# Allegro board RK_NVR_DEMO1_RK3588_LP4XD200P232SD8_V21_20211228_final_lint.brd (continued)
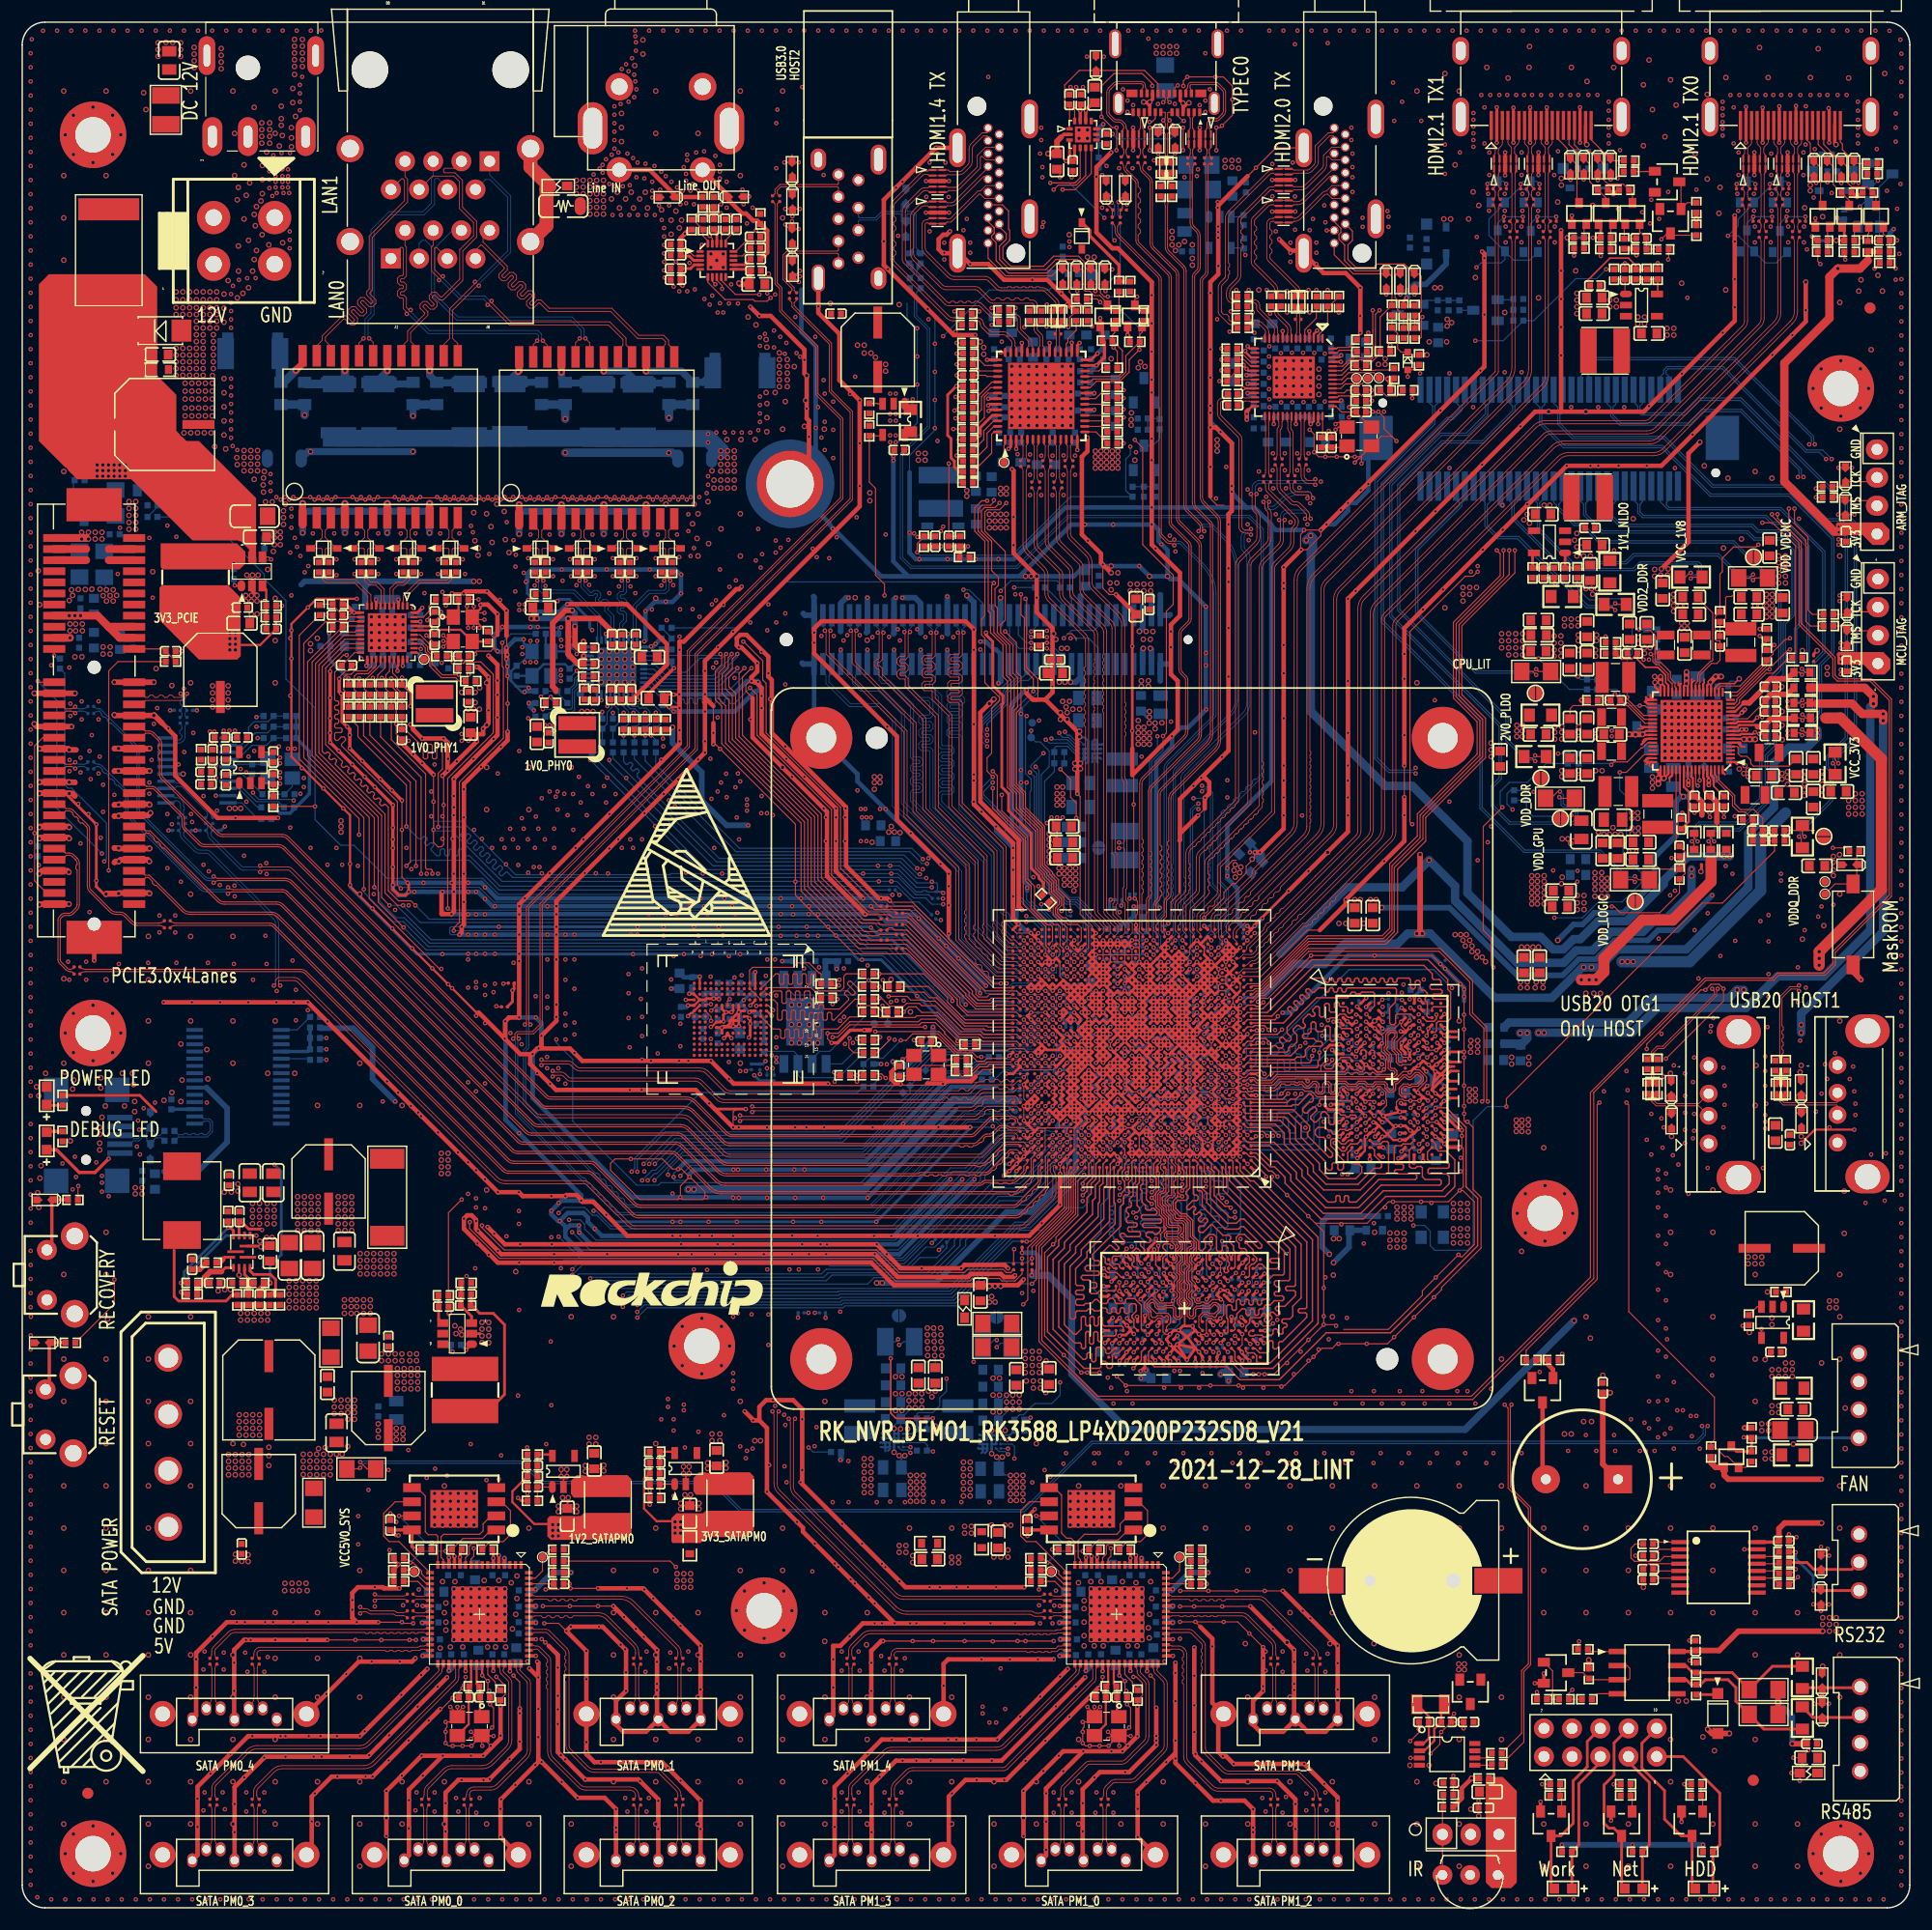
[diagram p0: board, top side]
## Routing (per net, layer and track width the routed paths; a pad name or vN(x,y) marks a point on that pad's centre or on a via; arc(x,y) is an arc through that point)
GND: length 8325.7
  TOP w0.089: 105.85,73.56 105.85,73.56 v1(107.15,73.56) ; v1(111.17,73.24) 111.54,73.24 ; v1(102.33,66.21) 102.33,66.16 102.41,66.08 102.41,65.92 ; 92.12,70.3 92.17,70.26 92.17,68.33 U1000.C30 ; v1(98.7,86.56) 98.7,85.32 98.75,85.26 ; U1000.AF4 108.45,82.66 v1(108.45,82.01) 109.1,82.01 ; U1000.A11 104.22,66.83 103.9,67.15 v1(103.9,67.71) ; v1(103.25,67.71) 103.25,66.59 103.3,66.54 103.3,65.92 ; v1(88.67,75.2) 88.67,75.23 88.47,75.42 88.47,75.65 ; v1(110.4,74.21) 110.98,74.21 111.06,74.13 111.54,74.13 ; v1(100.35,88.59) 100.35,89.45 100.48,89.58 100.48,90.75 v1(100.25,90.97) 100.15,91.08 100.15,91.79 ; U1000.AP34 89.6,87.86 v1(90.9,87.86) ; v1(106.5,69.01) v1(107.15,69.01) ; v1(90.9,80.71) v1(92.2,80.71) ; 88.47,76.57 88.71,76.57 v1(88.95,76.81) ; 105.2,86.57 105.2,85.92 U1000.AK10 ; 94.16,70.3 94.15,70.29 v1(94.15,69.66) 94.76,69.66 94.79,69.64 ; v1(108.45,78.11) v1(108.45,78.76) ; U1000.K32 90.25,72.91 v1(90.25,74.21) ; 101.9,63.87 v1(101.78,64) ; 98.75,85.26 98.05,85.26 ; 98.75,85.26 99.35,85.26 ; 111.38,83.96 v1(109.75,83.96) ; v1(104.26,66.28) 104.11,66.13 104.11,65.92 ; v1(107.15,78.11) 107.15,77.46 ; v1(92.2,85.91) 92.2,86.43 91.87,86.76 U1000.AM30 ; v1(111.37,75.12) 111.54,74.96 ; v1(107.15,72.26) v1(106.5,72.26) ; U1000.M3 108.77,73.89 v1(108.45,73.56) ; 100.65,85.89 100.63,85.91 v1(96.75,85.91) ; 99.97,85.24 100,85.26 v1(100,86.56) ; U1000.AK28 93.5,85.91 93.5,86.35 93.17,86.67 U1000.AM28 ; 100.56,87.19 100.66,87.29 100.66,87.72 100.32,88.06 U1000.AP17 ; v1(95.68,66.08) 95.52,65.92 ; v1(90.25,72.26) v1(90.25,70.96) ; U1000.AP23 96.42,88.48 95.94,88.96 ; 111.54,81.89 111.35,81.7 v1(111.35,81.67) ; U1000.R28 92.87,75.53 90.23,75.53 U1000.R33 ; 105.2,68.45 105.2,69.66
  TOP w0.102: v1(117.27,52.57) 118.29,52.57 v1(118.39,52.47) ; v1(117.27,52.57) v1(117.27,53.33) v1(117.27,55.87) 117.27,56.08 117.32,56.13 117.27,56.18 117.27,60.95 116.51,61.71 ; v1(117.27,52.57) v1(115.9,51.2) 112.82,48.13 110,48.13 v1(109.01,49.11) ; R6821.2 v1(38.17,117.39) ; 93.44,70.3 93.44,70.91 93.5,70.96 ; 93.44,70.3 91.54,70.3 ; 93.44,70.3 94.79,70.3 94.79,68.35 94.77,68.34 ; Y6800.4 40.18,115.98 v1(40.18,115.38) ; Y6800.4 40.08,116.82 v1(40.08,117.31) ; Y6800.4 40.69,116.21 ; 52.08,39.57 C8242.2 51.02,39.57 ; 52.08,39.57 52.21,39.57 v2(52.4,39.39) ; 52.08,39.57 v2(52.4,39.9) ; v1(129.51,64.66) 129.82,64.66 130.83,63.64 130.83,59.78 129.74,58.69 129.59,58.69 v1(129.41,58.87) v1(127.37,56.83) 126.16,55.62 126.16,55.21 123.09,52.14 119.08,52.14 ; v1(129.51,64.66) 128.5,63.64 v1(126.04,63.64) v1(123.5,63.64) 123.11,63.64 122.71,63.24 v1(122.81,63.14) 122.6,63.14 121.18,61.71 118.96,61.71 v1(118.86,61.61) 118.76,61.71 116.51,61.71 ; v1(129.51,64.66) 129.84,64.99 129.84,68.47 129.72,68.6 ; v1(92.94,24.05) v1(90.4,24.05) v1(89.69,24.05) v1(84.91,24.05) v1(82.07,24.05) v1(80.24,24.05) v1(77.57,24.05) ; v1(122.69,75.57) 122.86,75.73 122.86,76.44 122.96,76.54 122.96,76.73 122.48,77.21 122.48,77.89 ; 104.72,56.51 104.72,56.42 ; 104.72,56.51 104.72,57.16 ; 104.72,56.51 104.46,56.26 104.46,55.82 104.72,55.56 104.72,56.42 ; 104.72,56.42 104.99,56.14 104.99,55.82 104.72,55.54 104.72,54.89 ; v2(50.74,39.86) 51.02,39.57 ; 51.02,39.57 50.96,39.57 v2(50.74,39.35) ; v1(59.31,64.05) 59.1,63.85 55.65,63.85 53.01,66.49 53.01,67.1 53.41,67.51 v1(54.84,67.51) 57.68,67.51 58.6,66.59 v1(59.1,66.59) 59.41,66.59 v1(60.12,65.88) ; v1(59.31,64.05) 59.51,63.85 61.34,63.85 61.52,64.03 61.52,64.53 60.31,65.74 60.26,65.74 v1(60.12,65.88) ; v1(59.31,64.05) 59.31,65.07 v1(60.12,65.88) ; v1(70.08,147.57) 69.65,147.14 ; 69.65,147.14 D2509.2 v1(69.99,146.56) ; 69.65,147.14 69.99,147.14 v1(70.08,147.06) ; 88.47,76.57 86.92,76.57 86.66,76.32 86.03,76.32 85.47,76.87 84.13,76.87 82.57,78.43 82.52,78.43 82.42,78.53 81.44,78.53 C1101.2 ; v1(37.74,116.82) C6801.2 37.12,116.82 36.5,116.2 v1(36.5,116.07) ; v2(20.65,116.63) 20.51,116.49 20.51,115.98 ; v1(104.32,27.17) v1(105.59,27.17) v1(108.13,27.17) v1(110.67,27.17) ; v1(109.75,74.86) 110.23,74.86 110.55,75.19 U1000.P1 ; 120.59,130.8 120.67,130.88 ; 120.59,130.8 v1(120.06,130.8) v1(119.35,130.8) v1(118.44,130.8) v1(117.42,130.8) 116.81,130.8 v1(116.41,131.21) 116.41,132.83 v1(116,133.24) ; 120.59,130.8 v1(120.07,130.28) ; 120.67,130.88 v1(120.67,130.19) ; 120.67,130.88 Y5100.2 122.42,132.63 123.42,132.63 ; v1(104.34,28.57) v1(106.88,28.57) v1(109.42,28.57) v1(111.96,28.57) v1(113.59,28.57) ; v1(127.45,70.84) 127.42,70.81 126.67,70.81 v1(126.65,70.84) ; v1(39.95,20.8) 39.95,20.41 39.67,20.13 v1(39.67,19.8) 39.33,19.46 C8213.2 38.85,18.98 v1(38.78,18.92) 37.79,17.92 v1(37.67,17.92) ; U1000.A14 102.27,66.94 102.6,67.26 v1(102.6,67.71) ; v1(28.56,110.79) 28.56,110.93 29.13,111.5 29.44,111.5 29.68,111.75 C6826.2 29.94,112.01 v1(30.55,112.62) ; v2(61.76,39.6) 61.98,39.83 62.04,39.83 ; v1(80.34,78.22) 80.34,78.2 80.44,78.1 C1101.2 ; C8226.2 60.14,36.67 ; C8226.2 59.62,36.25 ; C8226.2 60.69,36.25 ; 60.14,36.67 60.27,36.8 60.27,37.18 v2(60.22,37.23) ; 60.14,36.67 60.14,36.8 v2(59.71,37.23) ; 105.78,59.53 105.53,59.28 105.53,59.28 105.53,58.74 ; 105.78,59.53 105.78,59.99 105.26,60.52 105.26,61.87 104.77,62.35 104.28,62.35 104.08,62.55 104.08,62.58 103.71,62.96 103.71,63.72 104.07,64.09 ; 105.78,59.53 105.78,58.98 105.53,58.74 ; 48.77,38.58 v2(49.07,38.88) v2(49.07,39.51) ; 48.77,38.58 48.77,38.67 v2(48.56,38.88) v2(48.56,39.51) ; 48.77,38.58 U8203.2 ; C9502.2 v1(159.59,13.52) ; C9502.2 160.38,13.64 v1(160.93,14.19) ; C9502.2 v1(160.38,12.82) ; v1(37.95,114.19) 37.98,114.15 38.42,114.15 ; v2(20.65,118.31) v2(20.65,117.8) ; v2(20.65,118.31) v2(20.14,118.31) v2(20.14,117.8) ; v2(20.65,118.31) v2(21.16,118.31) v2(21.16,117.8) ; v2(20.75,120.13) 20.7,120.08 20.7,119.68 ; 102.87,61.03 103.07,61.22 103.07,61.28 102.87,61.47 ; 102.87,61.03 102.87,61.47 ; 102.87,61.03 102.56,60.72 102.56,60.16 102.67,60.06 103.54,60.06 ; 115.8,74.72 115.77,74.69 115.77,74.54 ; 115.8,74.72 123.74,74.72 124.41,75.39 124.93,75.39 v1(125.02,75.3) ; 115.8,74.72 115.59,74.72 ; v1(109.93,51.71) 109.93,50.76 U3801.D11 ; v1(163.65,129.81) D9102.2 v1(164.87,129.81) ; 104.72,52.46 105.44,52.46 v1(105.46,52.44) ; 104.72,52.46 104.59,52.46 104.57,52.44 ; 104.72,52.46 104.72,52.57 ; 108.45,82.66 107.8,82.66 v1(107.8,83.31) 108.45,83.31 108.45,83.96 v1(107.8,83.96) 107.8,84.61 v1(107.8,84.61) v1(108.45,84.61) v1(108.45,85.26) ; 122.22,71.79 122.39,71.79 122.93,72.33 122.93,72.81 122.86,72.89 122.86,73.53 122.35,74.05 122.1,74.05 121.8,73.74 U3800.N4 121.05,73.74 120.73,74.05 120.51,74.05 120.19,73.74 U3800.N2 119.45,73.74 119.13,74.05 118.91,74.05 118.72,73.86 118.72,73.39 v1(118.74,73.37) 118.47,73.11 116.67,73.11 116.18,73.6 115.57,73.6 115.39,73.78 113.87,73.78 113.49,73.4 v1(113.46,73.4) 113.46,73.37 113.32,73.24 111.54,73.24 ; 103.54,60.06 103.91,59.7 103.91,58.84 ; 103.54,60.06 103.96,60.06 104.04,59.99 104.04,59.8 104.16,59.68 104.16,59.56 103.91,59.31 103.91,58.84 103.91,58.84 ; Y8300.4 v1(97.88,14.6) v1(97.08,14.6) v1(96.19,14.6) 95.81,14.6 v1(95.55,14.85) v1(95.55,15.87) 95.55,16.17 95.68,16.29 95.68,16.63 v1(95.55,16.76) 96.14,16.76 Y8300.2 96.61,17.48 ; Y8300.4 98.18,15.53 ; Y8300.4 98.81,15.4 ; Y8300.4 99.02,15.53 ; v1(41.45,14.6) 41.41,14.64 41.41,15.4 ; C2511.2 157.56,49.94 v2(157.05,49.42) ; 107.06,127.04 107.67,126.43 108.28,126.43 ; v1(84.2,130.9) 84.69,130.41 R5510.2 ; 104.27,91.58 104.27,91.44 103.5,90.67 103.5,88.98 v1(103.25,88.73) ; v1(104.6,160.47) v1(104.6,158.43) ; v1(103.45,58.05) 103.53,58.13 103.88,58.13 104.06,58.31 104.06,58.68 103.91,58.84 ; v1(108.45,79.41) 109.1,79.41 ; v1(163.65,122.88) 164.05,122.88 C9105.2 164.12,123.36 v1(163.65,123.36) ; 49.12,36.42 49.12,36.55 v2(48.69,36.97) ; 49.12,36.42 C8244.2 ; 49.12,36.42 49.24,36.55 49.24,36.93 v2(49.2,36.97) ; v2(49.96,36.21) 49.74,36 49.67,36 ; v1(121.07,76.01) 120.95,75.89 120.95,75.58 120.75,75.38 120.5,75.38 120.34,75.53 119.98,75.53 U3800.K2 ; 116.51,61.71 v1(115.87,62.35) v1(113.97,64.25) 112.6,65.63 v1(112.6,65.91) ; D2506.2 v1(70.07,153.14) ; D2506.2 v1(69.4,152.48) ; D2506.2 v1(68.76,153.14) ; R5531.2 94.36,143.34 94.36,142.59 v1(94.26,142.49) ; 93.25,96.45 93.25,97.57 92.73,98.09 v1(92.73,98.29) ; 93.25,96.45 92.83,96.87 92.58,96.87 v2(92.53,96.82) ; 93.25,96.45 C1086.2 92.83,96.05 92.58,96.31 v2(92.53,96.31) ; v2(61.76,40.11) 62.04,39.83 ; 62.04,39.83 C8224.2 63.1,39.83 ; v1(129.87,16.17) C2228.2 v1(129.33,16.75) C2229.2 ; v1(62.28,104.89) 62.46,104.89 69.67,97.68 v1(69.67,92.5) 69.67,91.28 74.95,86 79.85,86 83.81,82.03 v1(83.81,81.75) ; 129.72,68.6 v1(129.72,69.59) v1(129.72,70.1) 129.72,70.35 128.5,71.57 128.04,71.57 ; 129.72,68.6 129.61,68.7 128.31,68.7 ; 42.52,114.44 42.82,114.75 ; 42.52,114.44 42.52,113.58 ; 42.52,114.44 42.52,114.48 R6802.2 41.85,115.05 41.2,115.71 ; v1(97.61,145.74) 97.56,145.79 ED5505.2 ; 104.72,54.86 104.72,54.89 ; 104.72,54.86 104.72,54.39 ; 104.72,54.86 105.03,54.56 105.03,54.49 104.77,54.23 104.77,52.62 104.72,52.57 ; 104.72,54.89 104.47,54.64 104.72,54.39 ; v1(78.15,90.8) 78.31,90.64 80.21,90.64 83.49,87.36 ; 41.41,15.4 Y8200.4 ; 41.41,15.4 v1(42.21,14.6) ; v1(98.56,118.39) 97.94,118.39 97.37,118.95 v1(97.37,121.09) ; v1(101.83,164.23) 101.83,164.43 100.91,165.35 98.37,165.35 97.25,164.22 v1(97.25,161.45) 98.22,160.47 v1(98.6,160.47) 98.62,160.45 98.62,158.46 v1(98.6,158.43) ; 162.18,18.4 ED9500.2 v1(162.18,19.09) ; 162.18,18.4 v1(161.49,18.4) ; 162.18,18.4 v1(162.79,18.4) ; 104.11,64.53 v1(104.52,64.12) 104.48,64.09 104.07,64.09 ; 104.11,64.53 104.11,65.92 ; 104.11,64.53 104.11,64.13 104.07,64.09 ; ED9502.2 162.09,31.74 v1(162.81,31.74) ; ED9502.2 v1(162.08,32.53) ; ED9502.2 v1(162.68,32.36) ; v1(97.35,20.8) 97.35,20.41 97.08,20.13 v1(97.08,19.8) 96.73,19.46 C8313.2 96.25,18.98 v1(96.19,18.92) ; 108.45,70.96 109.1,70.96 ; v1(159.19,33.67) C9505.2 159.52,33.07 v1(159.87,33.42) ; 98.05,85.26 v1(98.05,86.56) ; 20.51,115.98 v2(21.16,116.63) ; 20.51,115.98 C8415.2 ; v1(34.72,92.4) 34.21,92.91 v1(34.21,97.17) v1(34.21,99.82) ; 64.31,72 64.06,71.75 v1(64.06,70.35) ; v1(72.62,74.29) 72.72,74.29 72.88,74.12 78.55,74.12 78.71,74.29 ; v2(23.25,123.51) v2(22.72,123.51) 22.65,123.58 22.28,123.58 ; v1(38.57,18.11) 39.21,17.48 ; 39.21,17.48 Y8200.2 38.74,16.76 v1(38.15,16.76) 38.28,16.63 38.28,16.29 38.15,16.17 v1(38.15,15.87) v1(38.15,14.85) 38.4,14.6 v1(38.78,14.6) v1(39.67,14.6) v1(40.48,14.6) Y8200.4 ; 39.21,17.48 39.21,17.6 ; v1(93.62,145.51) 93.75,145.64 ED5502.2 ; 122.22,78.94 122.39,78.77 ; 122.39,78.77 122.6,78.56 122.6,78.02 v1(122.52,77.93) ; 122.39,78.77 122.6,78.77 123.15,79.32 123.7,79.32 v1(124.25,79.86) 124.25,79.5 124.62,79.13 U3800.E8 124.62,78.85 123.87,78.1 123.87,77.44 124.25,77.06 124.25,76.83 124.41,76.67 124.79,76.67 124.92,76.55 v1(125.02,76.55) ; C2227.2 v1(125.84,16.1) 125.84,15.8 v1(125.07,15.03) ; v1(42.47,15.49) 42.21,15.49 42.17,15.53 41.62,15.53 ; C8244.2 48.6,36 ; C8244.2 49.67,36 ; 38.42,114.15 38.49,114.15 ; 38.42,114.15 v1(37.95,113.68) ; 38.49,114.15 v1(37.95,114.7) ; 38.49,114.15 Y6800.2 ; 60.69,36.25 60.77,36.25 v2(60.98,36.47) ; 60.69,36.25 v2(60.98,35.96) ; v1(100.12,20.82) 100.38,20.82 100.93,20.27 100.93,19.15 R8306.2 100.51,18.25 100.48,18.23 v1(100.48,18.13) ; C2229.2 v1(127.85,15.85) 127.73,15.73 127.73,14.75 v1(126.9,13.91) ; C2229.2 128.76,17.25 v1(129,17.49) ; ED9503.2 v1(162.08,26.76) ; ED9503.2 162.09,27.34 v1(162.8,27.34) ; ED9503.2 v1(161.39,27.36) ; C1101.2 81.01,77.31 80.48,76.79 79.71,76.79 79.47,76.55 79.34,76.55 ; v1(126.6,77.45) 126.74,77.31 v1(127.4,77.31) ; 41.62,15.53 Y8200.4 ; 41.62,15.53 v1(42.34,16.25) 42.47,16.38 42.47,18.03 v1(42.15,18.34) C8211.2 42.15,19.49 v1(42.09,19.55) 41.96,19.68 v1(41.96,20.44) v1(41.45,20.95) ; Y8200.4 40.78,15.53 ; v1(150.24,22.29) 150.43,22.1 R9508.2 ; v1(24.06,126.94) 24.21,127.09 26.19,127.09 v1(26.34,126.94) v1(27.11,126.94) v1(27.87,126.94) 28.02,127.09 30,127.09 v1(30.15,126.94) v1(30.92,126.94) v1(31.68,126.94) 31.83,127.09 33.81,127.09 v1(33.96,126.94) v1(34.73,126.94) v1(35.49,126.94) 35.64,127.09 37.62,127.09 v1(37.77,126.94) v1(38.54,126.94) v1(39.3,126.94) v1(40.06,126.94) v1(40.82,126.94) v1(41.58,126.94) v1(42.35,126.94) v1(43.11,126.94) v1(43.87,126.94) 44.02,127.09 45.24,127.09 v1(45.39,126.94) v1(46.16,126.94) v1(46.92,126.94) v1(47.68,126.94) 47.83,127.09 49.05,127.09 v1(49.2,126.94) v1(49.97,126.94) v1(50.73,126.94) v1(51.49,126.94) 51.64,127.09 52.86,127.09 v1(53.01,126.94) v1(53.78,126.94) v1(54.54,126.94) v1(55.3,126.94) 55.45,127.09 56.67,127.09 v1(56.82,126.94) ; 81.56,74.31 81.4,74.16 79.3,74.16 79.21,74.25 v1(79.16,74.25) ; v1(96.7,145.74) 96.29,146.14 ED5503.2 ; 104.72,57.16 104.47,57.41 104.47,57.87 104.77,58.16 ; 104.72,57.16 104.72,57.51 104.99,57.79 104.99,57.83 104.77,58.06 104.77,58.16 ; v1(163.85,111.6) 163.99,111.47 C9106.2 164.12,111.19 v1(163.85,111.19) ; v1(157.86,113.83) 157.39,113.37 R2134.2 ; v1(104.62,164.23) 104.62,164.69 v1(104.98,165.04) v1(107.52,165.04) 108.23,165.04 109.04,164.23 v1(109.04,163.01) 109.04,161.59 v1(108.1,160.65) 107.93,160.47 v1(107.6,160.47) v1(107.6,158.43) ; v1(107.93,57.14) 107.97,57.18 v1(107.97,58.12) ; 115.77,74.54 115.79,74.51 v1(115.82,74.51) ; 115.77,74.54 115.59,74.72 ; v1(43.64,113.58) 43.66,113.61 43.66,114.62 43.64,114.65 ; v1(99.24,136.8) 98.93,137.1 R5541.2 ; 100.65,86.48 100.56,86.56 v1(100,86.56) ; 100.65,86.48 100.65,87.1 100.53,87.21 v1(100,87.21) ; 100.65,86.48 v1(100.65,85.26) ; v2(63.42,39.64) 63.24,39.83 63.1,39.83 ; 22.28,123.58 v2(22.72,124.02) v2(23.25,124.02) ; 22.28,123.58 C8433.2 22.02,123.58 v2(22.72,122.88) v2(23.25,122.88) ; v1(97.08,48.25) v1(95.97,48.25) v1(95.43,48.25) 92.12,51.55 92.12,59.05 v1(92.89,59.81) 93.14,60.06 93.14,60.44 95.12,62.43 95.12,65.52 95.52,65.92 ; v1(65.71,110.58) 65.56,110.58 65.2,110.23 65.2,109.67 65.81,109.06 ; C2519.2 94.66,156.1 v1(94.56,156) ; v1(159.41,12.15) FB9500.2 v1(160.16,11.45) ; 104.72,52.57 104.72,54.39 ; 94.16,114.85 94.56,114.85 94.97,114.44 94.97,114.24 ; 79.34,76.55 79.32,76.53 v1(79.32,76.5) ; 79.34,76.55 79.44,76.45 79.44,76.28 C1102.2 ; D2507.2 v1(69.96,157.34) ; D2507.2 69.37,158.03 ; D2507.2 v1(68.67,157.34) ; 48.6,36 48.52,36 v2(48.31,36.21) ; 48.6,36 v2(48.31,35.7) ; v1(69.37,152.03) D2508.2 ; D2508.2 v1(69.96,151.34) ; D2508.2 69.36,151.33 69.16,151.33 v1(68.76,151.73) ; 93.82,83.64 93.5,83.96 93.5,85.26 ; 40.69,116.49 v1(40.69,117.31) ; D2505.2 v1(102.35,158.13) ; U3800.K9 125.58,75.53 125.91,75.53 126.54,74.9 126.54,74.54 125.76,73.76 v1(125.76,73.48) ; v1(103.55,55.64) 103.58,55.62 103.8,55.62 104.06,55.36 104.06,55.11 103.47,54.52 102.52,54.52 U3801.T5 101.12,54.55 101.12,54.08 101.51,53.69 101.51,53.13 U3801.T8 102.03,52.84 102.34,53.15 102.59,53.15 102.79,52.95 102.79,51.91 102.99,51.7 103.42,51.7 ; v1(108.05,138.59) R5100.2 ; U3801.G8 107.54,52.95 107.34,52.95 107.14,53.15 106.88,53.15 106.7,52.97 106.7,51.68 v1(106.73,51.66) 106.51,51.66 106.48,51.69 106.05,51.69 ; 102.13,64.35 102.13,64.43 102.39,64.69 102.39,65.91 102.41,65.92 ; 102.13,64.35 v1(101.78,64) ; 102.13,64.35 102.13,63.65 ; v1(47.04,25.65) 48.33,25.65 v1(49.04,24.94) ; 59.79,38.83 59.79,38.93 v2(59.59,39.13) v2(59.59,39.77) ; 59.79,38.83 v2(60.09,39.13) v2(60.09,39.77) ; 59.79,38.83 U8202.2 ; 104.77,58.16 104.77,59.93 104.65,60.06 104.65,60.35 104.52,60.48 104.52,60.57 v1(104.49,60.6) 104.51,60.61 104.51,60.78 104.65,60.91 104.65,61.57 104.48,61.74 103.58,61.74 103.48,61.84 103.48,62.32 103.08,62.73 103.08,63.14 102.74,63.48 102.74,64.01 103.3,64.57 103.3,65.92 ; v1(98.85,55.59) 98.88,55.61 98.88,56.35 v1(98.85,56.38) ; 100.02,102.13 100.15,102 v1(100.15,99.46) 100.15,91.79 ; 107.23,68.45 107.24,68.45 ; 39.21,17.6 v1(39.21,18.11) ; 39.21,17.6 v1(39.72,18.11) ; 42.52,113.58 42.21,113.28 40.92,113.28 40.82,113.17 v1(40.82,113.02) ; 42.52,113.58 v1(42.82,113.28) ; v1(98.85,20.95) v1(99.36,20.44) 99.36,19.68 v1(99.49,19.55) 99.55,19.49 C8311.2 v1(99.55,18.34) 99.87,18.03 99.87,16.38 v1(99.74,16.25) 99.02,15.53 ; v1(163.75,118.31) 164.2,118.31 D9104.2 164.24,117.9 163.85,117.9 v1(163.75,117.8) ; v1(84.2,138.15) C5500.2 ; C5106.2 v1(121.61,136.81) ; v1(107.95,53.13) 108.25,53.44 108.25,54.66 108.08,54.84 v1(108,54.84) 107.22,54.84 106.86,54.48 106.6,54.48 106.47,54.6 106.22,54.6 106.09,54.48 105.84,54.48 105.64,54.68 105.64,54.86 105.38,55.11 105.38,55.34 105.7,55.66 U3801.K4 105.7,56.3 105.4,56.6 105.4,57.33 U3801.K2 ; U1000.L1 110.57,73.24 110.25,73.56 109.75,73.56 ; v1(32.08,25.75) v1(34.21,25.75) 34.31,25.65 v1(35.23,25.65) ; v1(118.34,133.24) 118.58,133.48 Y5100.4 118.96,133.89 118.48,133.89 v1(118.34,133.75) ; v1(95.07,145.74) 95.02,145.79 ED5504.2 ; v2(140.08,122.67) 140.25,122.85 C2022.2 ; v1(119.56,135.27) 120.88,135.27 121.08,135.07 C5105.2 122.23,134.84 122.71,134.36 122.71,133.34 123.42,132.63 ; v1(53.26,27.2) v1(51.88,27.2) v1(49.34,27.2) v1(46.91,27.2) ; C5134.2 v1(144.42,148.24) ; 40.69,116.21 40.78,116.12 ; 40.69,116.21 v1(40.69,115.38) ; 40.78,116.12 v1(41.65,116.12) ; 40.78,116.12 41.2,115.71 ; 123.42,132.63 v1(123.82,132.22) ; v1(44.83,17.98) 44.83,20.35 44.27,20.91 v1(44.27,20.94) ; ED5102.2 v1(122.91,145.43) ; 76.5,90.26 76.78,89.98 79.97,89.98 v1(80.78,89.18) v1(82.57,87.38) v1(83.25,86.71) v1(84.37,85.59) v1(86.84,83.12) ; 49.67,36 v2(49.96,35.7) ; v1(43.74,106.01) v1(43.74,108.55) v1(43.74,111.04) 43.71,111.07 v1(43.71,111.9) 43.64,111.98 v1(43.64,112.56) ; 84.2,131.37 R5508.2 ; 111.54,74.13 112.67,74.13 113.25,74.72 115.59,74.72 ; v1(124.53,102.96) v1(124.53,100.12) ; 105.53,58.74 105.38,58.58 105.38,58.31 105.7,57.99 105.7,57.77 ; ED5103.2 v1(125.45,145.43) ; 59.62,36.25 59.55,36.25 v2(59.33,36.47) ; 59.62,36.25 v2(59.33,35.96) ; 102.87,61.47 102.87,62.07 102.46,62.48 102.46,62.87 102.13,63.21 102.13,63.65 ; v1(47.17,28.69) 48.33,28.69 48.44,28.8 v1(49.41,28.8) v1(51.89,28.8) ; C6800.2 37.17,113.95 v1(36.42,114.7) ; v1(93.5,67.06) 93.52,67.04 93.52,66.86 v1(93.52,66.16) ; R5117.2 v1(121.61,135.85) ; v1(43.1,18.15) R8206.2 43.1,18.81 43.53,19.24 43.53,20.01 v1(42.72,20.82) ; v1(117.73,133.14) 117.99,132.88 C5104.2 ; C6823.2 33.7,105.84 v1(33.7,106.72) v1(33.7,108.78) 33.7,109.68 33.26,110.13 R6825.2 ; v1(83.49,87.83) 83.49,87.36 ; 83.49,87.36 83.49,87.29 87.46,83.33 v1(88.19,83.33) ; v1(86.31,82.44) 86.31,82.82 79.86,89.27 78.41,89.27 78.15,89.53 75.99,89.53 ; 96.1,83.31 96.1,83.96 ; 76.38,79.11 76.66,79.39 v1(81.35,79.39) ; v1(40.43,15.87) 40.78,15.53 ; 40.78,15.53 40.73,15.53 v1(40.43,15.23) ; C2163.2 v1(153.33,98.72) ; 41.2,115.71 v1(41.2,115.38) ; 91.31,108.91 91.51,109.11 91.51,110.79 90.5,111.8 90.5,117.9 v1(90.4,118) ; 98.18,15.53 v1(97.84,15.87) ; 98.18,15.53 98.13,15.53 v1(97.84,15.23) ; 20.7,119.68 v2(20.24,120.13) ; 20.7,119.68 20.7,119.57 ; v1(99.24,134.36) 98.93,134.05 R5536.2 ; U3801.N2 103.75,57.27 104.06,56.96 104.06,56.71 103.78,56.43 103.78,56.06 U3801.N4 ; C8400.2 v1(14.4,113.28) ; v1(97.4,86.56) v1(97.4,85.26) ; U8402.2 20.7,119.57 ; 20.7,119.57 v2(21.26,120.13) ; v1(105.71,25.77) 106.14,25.34 ; v1(105.71,25.77) v1(108.25,25.77) 109.52,25.77 v1(110.57,24.73) v1(111.81,23.49) ; v1(105.71,25.77) v1(104.32,25.77) ; v1(41.65,116.73) 40.93,116.73 ; v1(109.1,81.36) 109.1,82.01 ; 96.61,17.48 96.61,17.6 ; 96.61,17.48 v1(95.98,18.11) ; 85.9,74.92 86.54,75.56 87.22,75.56 v1(87.35,75.43) 87.35,75.48 87.6,75.73 88.38,75.73 88.47,75.65 ; v1(84.2,139.13) R5507.2 ; C2110.2 139.38,96.35 139.37,96.36 v2(139.27,96.36) v2(138.76,96.36) ; 110.41,156.1 v1(111.16,156.85) v1(112.96,158.65) J5100.21 ; 99.35,85.26 99.35,86.56 ; v1(99.24,136.09) R5539.2 ; 102.13,63.65 101.9,63.87 ; 95.94,88.96 95.32,89.58 95.32,100.17 v1(95.07,100.42) ; J5100.17 v1(117.54,151.2) ; 98.81,15.4 98.81,14.64 v1(98.85,14.6) ; 98.81,15.4 v1(99.62,14.6) ; v1(111.07,95.14) 111.02,95.09 111.02,94.63 110.28,93.9 110.28,93.29 109.32,92.32 109.06,92.32 108.28,91.54 108.28,91.02 v1(106.5,89.24) ; 123.82,72.18 123.82,72.66 124.05,72.89 124.38,72.89 124.52,72.75 v1(125.09,72.75) v1(125.89,72.75) ; 111.54,81.89 111.63,81.98 112.26,81.98 v1(116.13,85.85) v1(121.84,85.85) 127.02,85.85 v1(129.58,83.29) 129.92,82.95 v1(129.92,82.78) v1(129.92,82.14) v1(129.92,80.51) v1(129.92,79.2) v1(129.92,76.66) v1(129.92,74.12) 129.92,72.28 v1(129.92,72.28) v1(129.92,71.58) 129.92,70.96 130.02,70.86 v1(130.22,70.86) 130.73,70.35 130.73,64.76 131.44,64.05 131.44,59.48 127.89,55.92 127.89,55.72 v1(127.2,55.03) v1(125.41,53.24) v1(123.61,51.44) 123.01,50.84 v1(121.14,50.84) v1(118.6,50.84) 118.44,50.84 118.03,50.44 117.12,50.44 v1(116.35,49.67) 113.76,47.08 v1(109.6,47.08) v1(107.06,47.08) v1(99.44,47.08) v1(98.63,47.9) ; v1(102.18,18.03) 102.13,18.03 102.03,18.13 102.03,20.58 v1(101.67,20.94) ; 117.02,75.38 117.02,75.91 117.52,76.42 v1(117.52,76.45) ; 117.02,75.38 119.15,75.38 119.5,75.73 v1(119.5,76.01) ; 117.02,75.38 112.77,75.38 112.62,75.23 v1(112.57,75.23) 112.52,75.18 112.44,75.18 112.06,74.8 111.7,74.8 111.54,74.96 ; v1(99.24,132.02) R5534.2 ; v1(99.87,15.49) 99.62,15.49 99.58,15.53 99.02,15.53 ; v1(27.48,24.15) v1(30.02,24.15) v1(32.36,24.15) v1(34.9,24.15) v1(35.48,24.15) ; v2(63.42,40.15) 63.1,39.83 ; 62.28,108.32 62.28,106.8 ; v1(29.23,112.92) 28.93,112.92 27.75,111.74 v1(27.75,111.44) ; v1(72.92,77.97) 72.57,78.33 v1(72.57,78.83) 73.52,78.83 74.56,79.88 80.74,79.88 80.97,80.1 82.37,80.1 84.28,78.2 v1(84.28,78.12) ; C9500.2 v1(150.21,24.09) ; 84.2,132.34 R5506.2 ; 109.4,94.43 109.09,94.43 108.58,93.92 v1(108.58,93.72) ; v1(163.85,114.04) 164.24,114.04 D9105.2 164.12,113.55 v1(163.83,113.55) ; 111.38,83.96 111.63,83.96 115.8,88.13 116.91,88.13 ; v1(110.4,74.21) v1(109.75,74.21) ; C8204.2 v1(49.32,29.2) ; v1(37.06,102.15) v1(37.06,99.71) v1(37.06,97.17) 37.06,96.05 37.46,95.64 37.77,95.64 37.97,95.84 v1(37.97,99.41) 37.97,101.95 v1(37.87,102.05) ; v1(148.11,76.55) 153.29,81.73 v1(153.29,82.85) 152.88,83.25 152.17,83.25 v1(151.66,82.75) 151.25,82.75 146.38,77.87 v1(146.38,77.41) ; C8304.2 v1(106.73,29.2) ; D2504.2 v1(103.88,158.14) ; v1(121.82,72.64) 121.7,72.76 121.13,72.76 v1(121.03,72.66) ; 96.61,17.6 v1(96.61,18.11) ; 96.61,17.6 v1(97.12,18.11) ; C2165.2 v1(144.63,113.6) ; v1(84.2,141.06) R5513.2 ; 47.44,23.61 v1(47.13,23.92) 46.83,24.22 v1(46.81,24.22) ; U9501.15 v1(155.17,32.32) ; 100.65,69.66 100.65,68.36 ; C2155.2 v1(150.68,98.72) ; v1(99.24,135.07) R5537.2 ; C2166.2 v1(142.57,108.86) ; C2160.2 v1(152.02,98.72) ; 105.2,68.36 105.2,68.45 ; v1(105.85,70.31) 105.85,70.95 105.84,70.96 v1(105.2,70.96) ; R5133.2 v1(147.37,148.25) ; v1(98.05,77.46) v1(98.05,78.11) ; v1(100.65,73.56) 100,73.56 ; 109.75,83.31 109.75,82.67 ; R8433.2 v1(23.41,117.37) ; v1(163.63,125.59) D9103.2 v1(165.07,125.59) ; 84.2,128.48 R5511.2 ; 93.5,156.72 v1(93.5,156) ; C9001.2 v1(131.21,9.64) ; ED5104.2 v1(124.18,145.43) ; 106.55,99.08 v1(105.94,98.47) ; v1(101.6,160.47) v1(101.6,158.43) ; 115.75,122.42 v1(115.24,122.42) 115.19,122.47 115.19,123.79 115.59,124.2 v1(117.02,124.2) 117.02,123.69 115.75,122.42
  TOP w0.127: 106.5,85.91 106.5,86.56 ; 100,70.31 v1(99.35,70.31)
  TOP w0.152: v1(126.7,79.26) 126.65,79.21 126.65,78.71 v1(126.54,78.61) ; v1(34.97,108.32) 34.97,109.51 R6823.2 ; v1(122.69,75.57) 122.47,75.35 122.06,75.35 121.78,75.63 121.48,75.63 U3800.K4
  TOP w0.203: C8237.2 v1(56.55,37.62) ; v1(65.61,81.35) 66.05,81.79 U4000.C4 ; v2(158.57,106.6) 158.54,106.6 158.49,106.55 C2170.2 ; v2(158.58,105.29) 158.53,105.29 158.19,105.63 C2172.2 ; 123.01,69.74 122.26,70.49 122.22,70.49 ; 123.01,69.74 v1(123.75,70.48) 123.53,70.48 v1(122.62,71.39) ; 123.01,69.74 123.54,69.21 v1(124.13,69.21) ; 123.01,69.74 122.78,69.51 v1(122.55,69.51) ; v1(62.05,79.42) 62.12,79.42 U4000.K8 62.59,79.85 ; R6831.2 v1(30.36,110.82) ; v1(120.22,77.22) 120.22,77.23 U3800.G3 ; 104.27,96.21 104.27,91.58 ; Y6800.4 41.3,117.1 v1(41.3,117.44) ; R6821.2 v1(38.72,118.49) v1(39.77,118.49) ; U4000.P4 v1(59.79,81.85) ; U3800.AB3 120.98,68.24 120.98,69.39 v1(121.07,69.49) ; R6825.2 v1(33.26,110.82) ; U4000.N5 U4000.P6 60.35,80.65 60.26,80.65 v1(59.99,80.38) ; v1(30.15,118) 26.52,118 v1(25.74,117.22) 24.25,115.73 v1(24.25,115.16) v1(24.25,112.62) 24.25,103.78 v1(27.13,100.9) v1(28.93,99.1) 29.54,98.49 v1(29.54,94.1) v1(29.54,92.19) 29.54,92.09 v1(31.55,90.08) v1(33.35,88.28) v1(35.15,86.49) v1(36.94,84.69) v1(38.74,82.89) 40.92,80.71 41.12,80.71 ; v1(165.07,70.15) 161.52,70.15 v2(160.3,68.93) ; v1(41.45,20.95) 41.45,21.07 41.45,21.08 U8200.41 ; C2164.2 v2(158.54,110.08) ; U2000.10 v2(19.54,57.04) ; U8300.41 98.85,21.08 98.85,21.07 v1(98.85,20.95) ; v1(67.54,80.41) 67.09,80.85 U4000.A6 ; C8255.2 v1(45.52,37.36) ; U4000.N2 v1(61.05,83.94) ; v1(65.52,80.18) 65.35,80.35 U4000.E7 ; R6823.2 v1(34.22,110.91) ; C2169.2 v2(158.57,107.84)